# Altium PCB testboard_chip1.PcbDoc (part 3 of 3)
Units mm, origin at the board's own origin, x right, y up, seen from the top; angles counter-clockwise.
Board outline 111 x 126 mm, 2 copper layers (Top Layer, Bottom Layer); 162 components, 162 nets, 822 pads, 290 vias.
Unrouted connection lines stored in the file: 151.
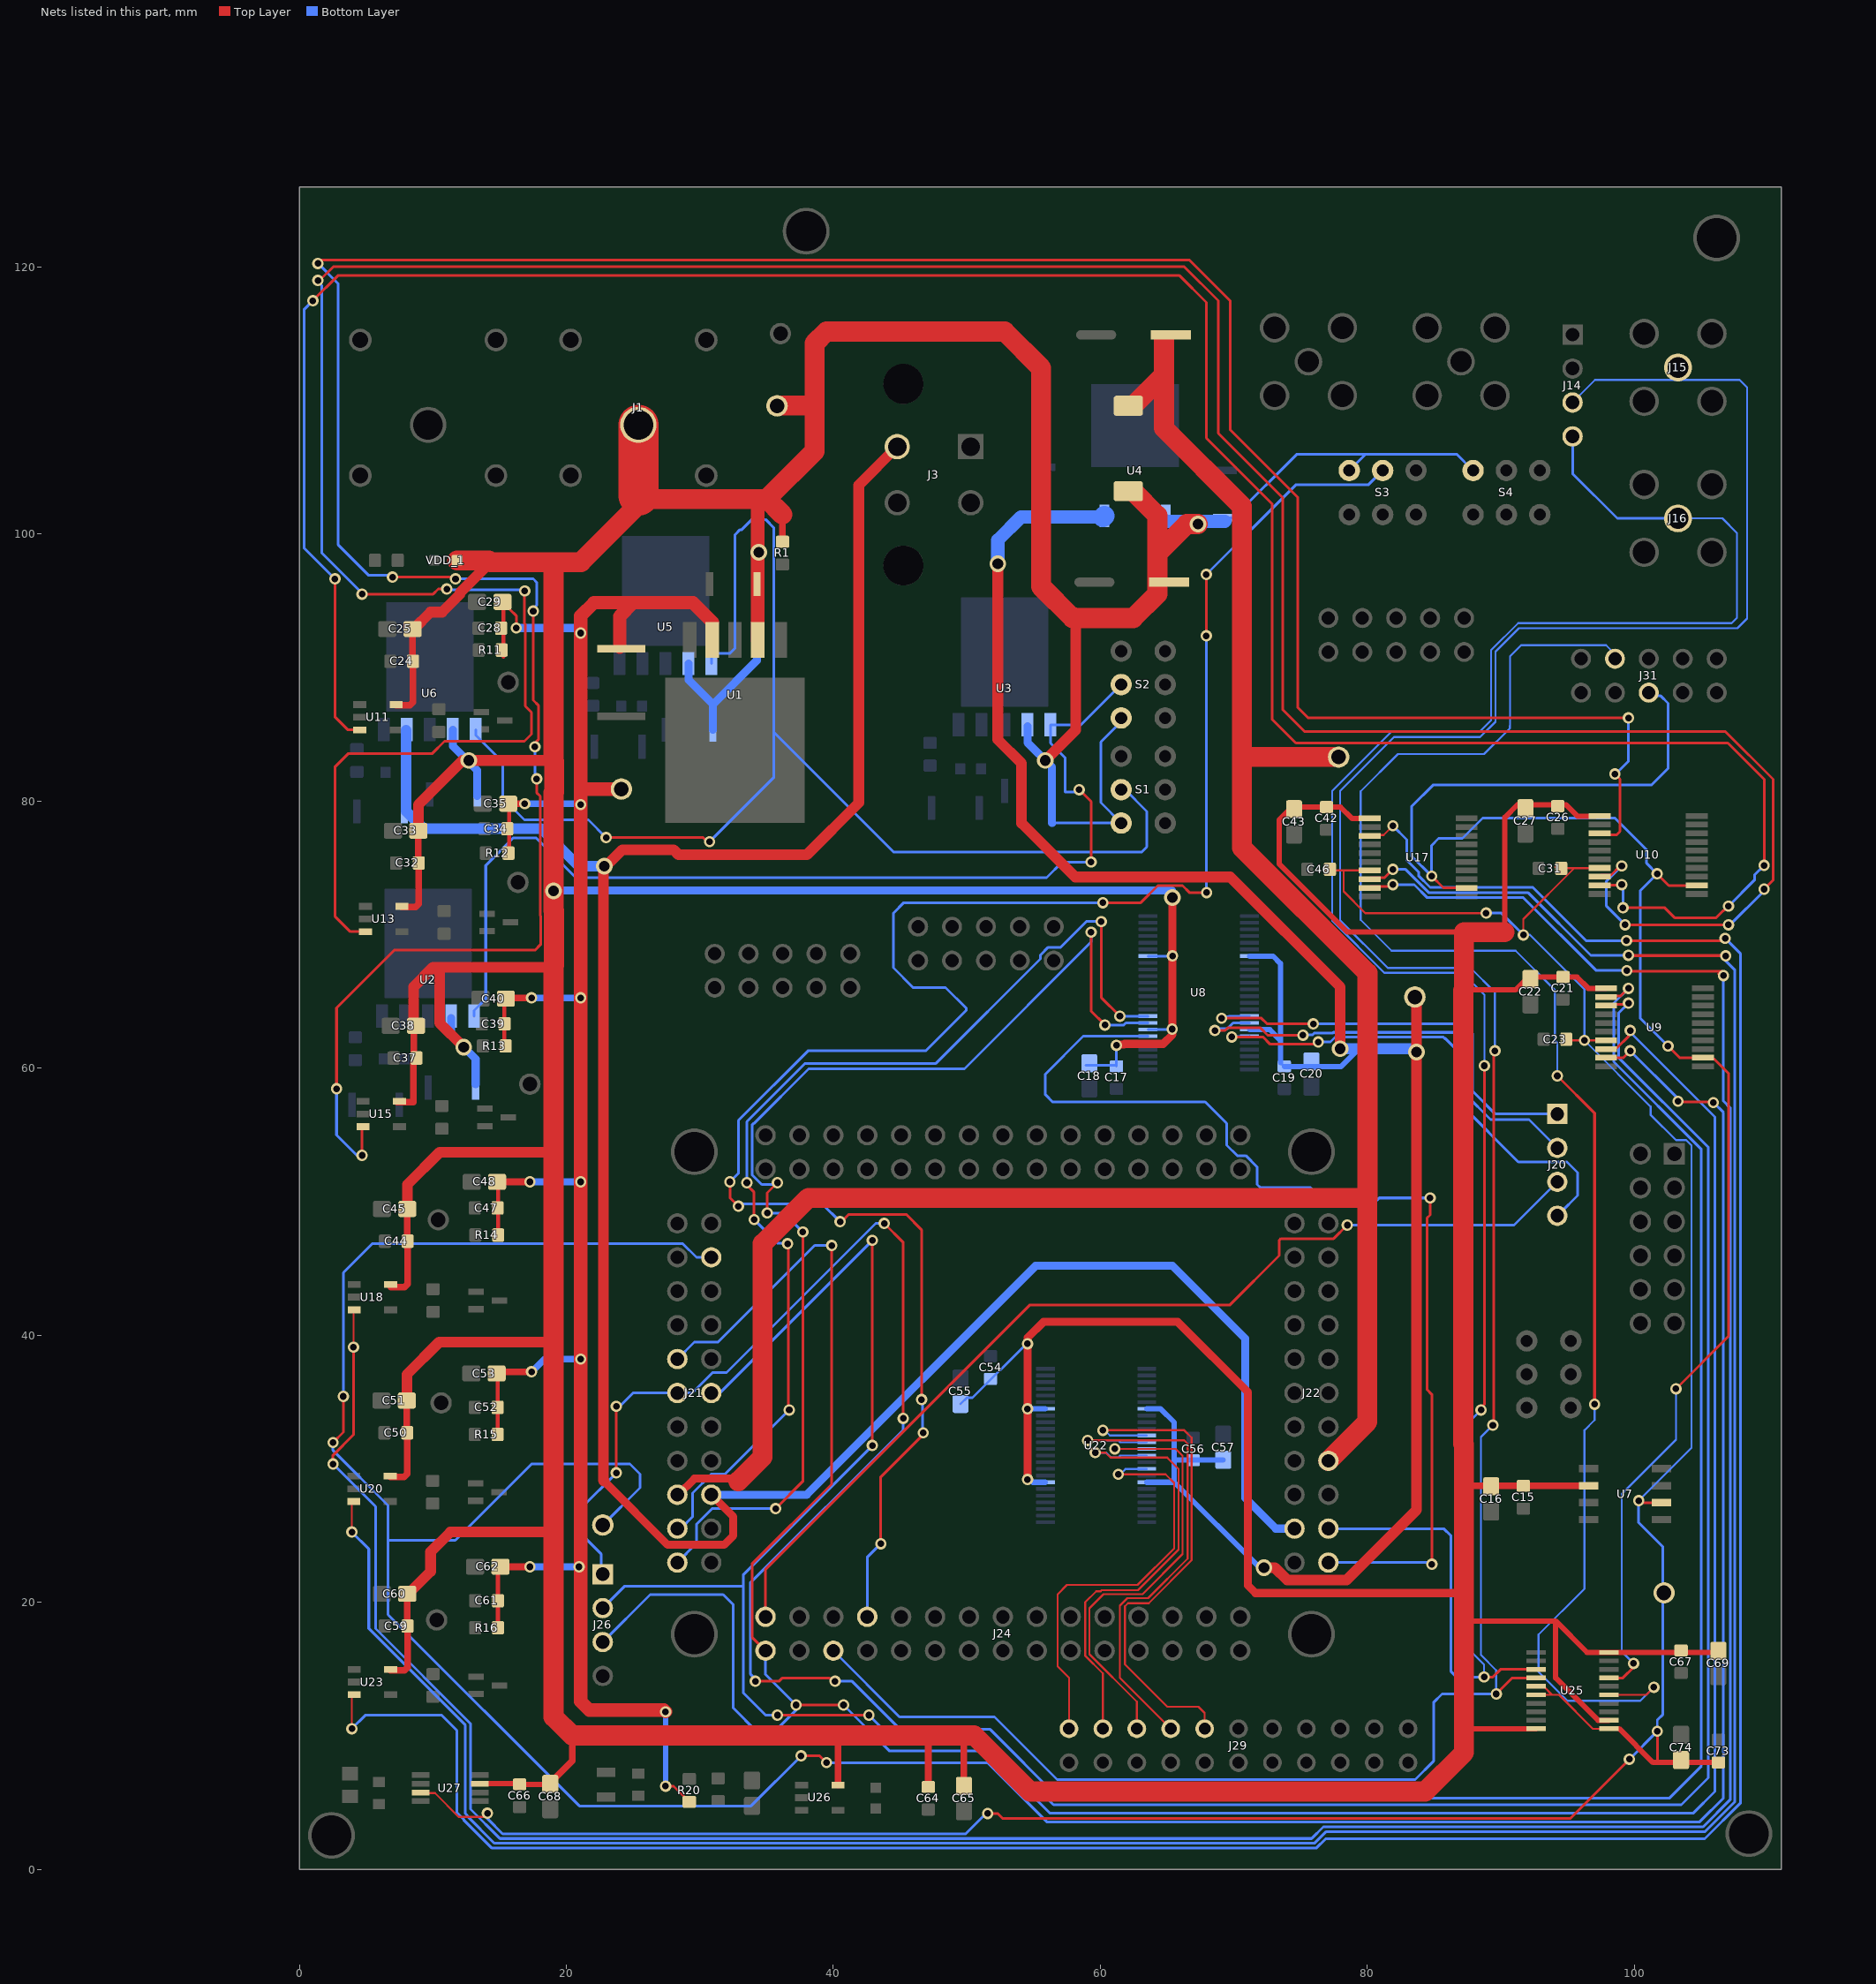
[diagram p3: the nets of this part, all layers, seen from the top]

## Via types
v1: diameter 0.85, hole 0.5, Top Layer to Bottom Layer, 274 vias
v2: diameter 1.25, hole 0.8, Top Layer to Bottom Layer, 16 vias

## Nets (pads, with @x,y where several pads share a name; then routed paths per layer and width w, separated by ;. In a path a pad name is that pad's centre, name@x,y a point inside that pad or via, vN(x,y) a via of type N, cw(c..) or ccw(c..) an arc to the next point about the centre after c; other vN are vias at no path point) (continued)
S_EXT_33<6>: J29.9 U22.11 | length 38.9
  Top Layer w0.15: v1(60.198,32.877) 66.294,32.877 66.848,32.323 66.848,23.144 63.627,19.923 62.073,19.923 61.849,19.699 61.849,15.351 65.024,12.176 67.349,12.176 67.818,11.707 J29.9@67.818,10.525
  Bottom Layer w0.15: v1(60.198,32.877) 60.331,32.877 60.724,32.484 U22.11@63.491,32.484
S_EXT_33<7>: J29.7 U22.12 | length 38
  Top Layer w0.15: v1(59.055,32.115) 59.074,32.134 66.275,32.134 66.548,31.861 66.548,23.268 63.584,20.304 62.03,20.304 61.468,19.742 61.468,14.335 J29.7@65.278,10.525
  Bottom Layer w0.15: v1(59.055,32.115) 59.074,32.134 61.356,32.134 61.506,31.984 U22.12@63.491,31.984
S_EXT_33<8>: J29.5 U22.13 | length 34.3
  Top Layer w0.15: v1(61.087,31.484) 65.655,31.484 66.167,30.972 66.167,23.606 63.165,20.604 60.244,20.604 59.182,19.542 59.182,16.113 62.738,12.557 J29.5@62.738,10.525
  Bottom Layer w0.15: v1@61.035,31.48 61.083,31.48 v1(61.087,31.484) U22.13@63.491,31.484
S_EXT_33<9>: J29.3 U22.14 | length 35.5
  Top Layer w0.15: v1(59.625,31.207) 60.399,31.207 60.772,30.834 65.013,30.834 65.867,29.98 65.867,23.941 62.83,20.904 60.12,20.904 60.028,20.812 59.69,20.812 58.863,19.985 58.863,16.008 60.198,14.673 J29.3@60.198,10.525
  Bottom Layer w0.15: v1(59.625,31.207) 60.445,31.207 60.818,30.834 61.356,30.834 61.506,30.984 U22.14@63.491,30.984
S_EXT_33<10>: J29.1 U22.16 | length 32.2
  Top Layer w0.15: J29.1@57.658,10.525 57.658,14.335 56.798,15.195 56.798,20.587 57.501,21.29 62.792,21.29 65.532,24.03 65.532,28.94 64.892,29.58 v1(61.356,29.58)
  Bottom Layer w0.15: v1(61.356,29.58) 61.485,29.58 61.889,29.984 U22.16@63.491,29.984
SCLK: J21.22 U8.32 | length 85.8
  Top Layer w0.2: v1(35.052,49.149) 35.052,50.657 v1(35.814,51.419) ; v1(35.687,27.011) 37.719,29.043 v1(37.719,47.736) ; v1(59.309,70.186) 59.309,64.274 v1(60.353,63.23)
  Bottom Layer w0.2: J21.22@28.321,22.971 29.764,24.414 29.764,25.845 30.929,27.011 v1(35.687,27.011) ; v1(35.052,49.149) 36.306,49.149 v1(37.719,47.736) ; v1(35.814,51.419) 35.814,51.409 35.697,51.292 34.637,51.292 33.913,52.016 33.913,55.741 34.036,55.864 34.071,55.864 38.158,59.951 49.823,59.951 59.309,69.437 v1(59.309,70.186) ; v1(60.353,63.23) 60.365,63.218 61.748,63.218 61.923,63.393 U8.32@63.574,63.393
SCLK_33: J20.2 U8.17 | length 34.9
  Top Layer w0.2: v1(68.58,62.82) 69.345,62.82 69.541,63.016 72,63.016 72.548,62.468 v1(75.184,62.468)
  Bottom Layer w0.2: v1(68.58,62.82) 68.704,62.944 69.503,62.944 69.952,63.393 U8.17@71.176,63.393 ; v1(75.184,62.468) 75.213,62.497 75.909,62.497 76.054,62.642 77.425,62.642 77.46,62.677 86.913,62.677 87.376,62.214 87.376,58.013 89.243,56.146 92.118,56.146 J20.2@94.239,54.025
SDI: J31.3 U9.12 U10.12 U17.12 U25.17 | length 130.9
  Top Layer w0.2: v1(84.823,74.381) 85.701,73.503 U17.12@87.439,73.503 ; U25.17@98.098,14.335 99.145,14.335 99.949,15.139 v1(99.949,15.414) ; v1(101.714,74.554) 102.592,73.676 U10.12@104.33,73.676 ; v1(102.53,61.656) 103.408,60.778 U9.12@105.146,60.778 105.262,60.663 106.001,60.663 107.061,59.602 107.061,39.921 v1(103.124,35.984)
  Bottom Layer w0.15: v1(99.949,15.414) 99.06,16.303 99.06,28.114 103.124,32.178 v1(103.124,35.984)
  Bottom Layer w0.2: J31.3@101.092,88.122 101.34,87.874 101.985,87.874 102.53,87.329 102.53,82.448 101.306,81.224 84.952,81.224 83.312,79.584 83.312,75.892 v1(84.823,74.381) 84.823,76.686 85.344,77.207 87.132,77.207 88.651,78.726 98.552,78.726 100.925,76.353 100.925,75.343 v1(101.714,74.554) ; v1@101.541,74.381 100.457,73.297 100.457,63.729 v1(102.53,61.656)
SDOUT: J31.9 U25.15 | length 121.3
  Top Layer w0.15: U25.15@98.098,13.065 100.901,13.065 v1(101.473,13.636)
  Top Layer w0.2: v1(94.234,59.42) 97.028,56.626 v1(97.028,34.831)
  Bottom Layer w0.15: v1(94.234,59.42) 94.234,61.917 94.061,62.09 94.061,65.842 91.107,68.796 81.822,68.796 79.502,71.115 79.502,80.727 82.296,83.521 88.749,83.521 90.678,85.45 90.678,85.64 90.701,85.662 90.701,90.849 91.529,91.678 97.882,91.678 98.552,91.008 J31.9@98.552,90.662 ; v1(97.028,34.831) 97.028,33.639 96.266,32.877 96.266,21.002 92.837,17.573 92.837,14.779 94.996,12.62 100.457,12.62 v1(101.473,13.636)
SHIFT: J21.20 U8.33 | length 79.1
  Top Layer w0.2: v1(33.528,51.419) 33.528,51.243 34.071,50.7 v1(34.071,48.66) ; v1(36.576,46.847) 36.639,46.783 36.639,34.464 v1(36.703,34.401) ; v1(60.071,70.977) 60.071,65.29 v1(61.468,63.893)
  Bottom Layer w0.2: J21.20@28.321,25.511 28.575,25.511 29.464,26.4 29.464,28.178 30.865,29.579 31.881,29.579 v1(36.703,34.401) ; v1(33.528,51.419) 33.528,55.991 37.897,60.36 47.692,60.36 55.516,68.184 55.516,68.47 56.101,69.055 57.033,69.055 58.955,70.977 v1(60.071,70.977) ; v1(34.071,48.66) 35.851,46.88 36.543,46.88 v1(36.576,46.847) ; v1(61.468,63.893) U8.33@63.574,63.893
SHIFT_33: J20.1 U8.16 | length 32.8
  Top Layer w0.2: v1(69.088,63.738) 72.072,63.738 72.493,63.317 v1(75.953,63.317)
  Bottom Layer w0.2: v1(69.088,63.738) 69.212,63.862 69.642,63.862 69.673,63.893 U8.16@71.176,63.893 ; v1(75.953,63.317) 87.162,63.317 87.884,62.595 87.884,58.277 89.596,56.565 J20.1@94.239,56.565
SIN: J22.21 U8.30 | length 79.9
  Top Layer w0.2: v1(84.709,50.277) 84.709,49.006 84.484,48.781 84.484,35.92 84.836,35.568 v1(84.836,22.844)
  Bottom Layer w0.2: U8.30@63.574,62.393 58.726,62.393 55.889,59.556 55.889,58.011 56.425,57.475 67.858,57.475 69.473,55.86 69.473,54.235 70.261,53.447 70.904,53.447 71.755,52.596 71.755,51.292 71.981,51.066 75.702,51.066 76.873,49.895 80.512,49.895 80.894,50.277 v1(84.709,50.277) ; J22.21@77.089,22.971 84.709,22.971 v1(84.836,22.844)
SIN_33: J20.4 U8.19 | length 37.6
  Top Layer w0.2: v1(69.85,62.341) 72.18,62.341 72.728,61.793 75.984,61.793 76.151,61.96 v1(76.327,61.96)
  Bottom Layer w0.2: v1(69.85,62.341) 69.876,62.367 71.15,62.367 U8.19@71.176,62.393 ; v1(76.327,61.96) 77.238,61.96 77.605,62.327 85.696,62.327 85.809,62.214 85.852,62.214 86.868,61.198 86.868,57.424 91.313,52.979 94.96,52.979 95.758,52.181 95.758,50.464 J20.4@94.486,49.192
SOUT: J20.3 J24.1 | length 75.6
  Top Layer w0.2: J24.1@34.925,18.907 34.925,22.463 54.737,42.275 69.723,42.275 73.406,45.958 73.406,47.111 73.523,47.228 77.486,47.228 v1(78.502,48.244)
  Bottom Layer w0.2: v1(78.502,48.244) 90.998,48.244 J20.3@94.239,51.485
TSENSE: J14.4 J16.1 J22.19 U25.3 | length 163.7
  Top Layer w0.2: v1(88.519,34.401) 88.519,34.577 88.773,34.831 v1(88.773,60.182) ; v1(88.749,14.398) 89.408,14.398 89.98,14.97 U25.3@92.656,14.97
  Bottom Layer w0.15: v1(88.519,34.401) 87.884,33.766 87.884,16.196 88.749,15.331 v1(88.749,14.398) ; v1(88.773,60.182) 88.773,65.487 87.112,67.148 81.28,67.148 77.372,71.056 77.372,80.756 81.788,85.172 88.403,85.172 89.281,86.05 89.281,91.305 91.305,93.329 107.299,93.329 107.696,93.726 107.696,100.076 106.598,101.174 J16.1@103.276,101.174
  Bottom Layer w0.2: J22.19@77.089,25.511 85.725,25.511 86.273,24.963 86.273,14.803 86.677,14.398 v1(88.749,14.398) ; J14.4@95.377,107.315 95.377,104.521 98.724,101.174 J16.1@103.276,101.174
VBLEED: U10.9 U11.3 | length 197.8
  Top Layer w0.2: v1(1.016,117.475) 2.921,119.38 65.913,119.38 67.945,117.348 67.945,107.188 72.889,102.244 72.889,86.106 74.644,84.351 107.01,84.351 109.728,81.633 v1(109.728,75.184) ; v1(2.667,96.647) 2.667,86.31 3.644,85.333 U11.3@4.526,85.333 ; U10.9@97.409,73.693 97.433,73.718 99.036,73.718 v1(99.06,73.742) ; v1(99.153,72.009) 102.285,72.009 103.047,71.247 106.106,71.247 106.638,71.779 106.671,71.779 107.012,72.12 107.045,72.12 v1(107.061,72.136)
  Bottom Layer w0.2: v1(1.016,117.475) 0.35,116.809 0.35,98.964 v1(2.667,96.647) ; v1(99.06,73.742) 99.153,73.649 v1(99.153,72.009) ; v1(107.061,72.136) 109.003,74.078 109.003,74.459 v1(109.728,75.184)
VDD: C14.1 J3.3 J21.17 J22.20 R6.1 U6.4 | length 199.5
  Top Layer w0.6: 22.829,29.067 27.596,24.299 31.818,24.299 32.512,24.993 32.512,26.4 J21.17@30.861,28.051
  Top Layer w0.8: 22.829,29.067 22.774,29.122 22.774,74.931 24.202,76.359 28.035,76.359 28.407,75.987 38.019,75.987 41.91,79.878 41.91,103.664 J3.3@44.792,106.546
  Bottom Layer w0.6: J21.17@30.861,28.051 38.006,28.051 55.151,45.196 65.405,45.196 70.866,39.735 70.866,27.797 73.152,25.511 J22.20@74.549,25.511
  Bottom Layer w0.8: U6.4@8.011,85.305 R6.1@8.011,82.153 8.011,79.232 9.297,77.946 18.115,77.946 20.922,75.139 v2(22.86,75.139)
VDD_2P5V: C6.1 C28.1 C29.1 C34.1 C35.1 C39.1 C40.1 C47.1 C48.1 C52.1 C53.1 C61.1 C62.1 J8.1 R11.1 R12.1 R13.1 R14.1 R15.1 R16.1 R20.1 U1.4 | length 185.2
  Top Layer w0.2: C29.1@15.22,94.919 15.268,94.919 15.765,94.423 15.765,94.375 16.256,93.883 v1(16.256,92.964) ; C40.1@15.475,65.201 C40.1@15.536,65.262 ; C6.1@24.003,91.536 C6.1@24.13,91.409 ; v1(27.432,6.223) 28.042,6.223 R20.1@29.21,5.055 ; U1.4@30.937,91.805 U1.4@30.937,93.408
  Top Layer w0.3: R15.1@14.852,32.562 C53.1@14.852,37.068 ; R15.1@14.853,32.562 C52.1@14.853,34.594 C53.1@14.853,37.068 ; R16.1@14.88,18.084 C61.1@14.88,20.116 C62.1@14.88,22.59 ; R14.1@14.885,47.49 14.886,47.491 14.886,48.945 C48.1@14.886,51.485 ; 14.885,48.945 C48.1@14.885,51.292 ; 15.286,90.805 C29.1@15.286,94.853 ; R13.1@15.346,61.356 15.368,62.661 C40.1@15.368,65.135 ; R12.1@15.715,75.759 C35.1@15.715,79.74
  Top Layer w0.5: C53.1@14.853,37.068 15.041,37.256 v1(17.399,37.256) ; C48.1@14.886,51.485 v1(17.272,51.485) ; C62.1@14.914,22.651 v1(17.272,22.651) ; C40.1@15.536,65.262 v1(17.399,65.262) ; C35.1@15.715,79.74 15.781,79.806 v1(16.891,79.806)
  Top Layer w1: v1(21.082,38.211) 21.082,37.256 ; C6.1@24.003,91.536 24.003,93.847 25.009,94.853 ; J8.1@24.13,80.899 21.082,80.899 ; v1(27.432,11.795) 27.305,11.922 21.717,11.922 21.082,12.557 21.082,37.256 ; U1.4@30.937,93.408 29.492,94.853 25.009,94.853 ; 21.082,37.256 v1(21.082,51.485) v1(21.082,79.74) 21.082,80.899 ; 21.082,80.899 v1(21.082,92.583) 21.082,93.865 22.07,94.853 25.009,94.853
  Bottom Layer w0.4: v1(27.432,6.223) v1(27.432,11.795)
  Bottom Layer w0.5: v1(16.891,79.806) 21.016,79.806 v1(21.082,79.74) ; v1(17.272,22.651) v1(20.955,22.651) ; v1(17.272,51.485) v1(21.082,51.485) ; v1(17.399,37.256) 18.354,38.211 v1(21.082,38.211) ; v1(17.399,65.262) v1(21.082,65.262)
  Bottom Layer w0.6: v1(16.256,92.964) 20.701,92.964 v1(21.082,92.583)
VDD_5V_IN: C2.+ C3.1 C4.1 C7.1 C9.1 C11.1 C13.1 C15.1 C16.1 C17.1 C18.1 C21.1 C22.1 C24.1 C25.1 C26.1 C27.1 C32.1 C33.1 C37.1 C38.1 C42.1 C43.1 C44.1 C45.1 C50.1 C51.1 C54.1 C55.1 C59.1 C60.1 C64.1 C65.1 C66.1 C67.1 C68.1 C69.1 J1.1 J4.1 L1.2 R1.2 S1.6 S2.6 S3.6 S4.6 U1.2 U2.2 U3.2 U4.1 U5.2 U6.2 U7.2 U8.31 U8.42 U9.1 U10.1 U11.5 U13.5 U15.5 U17.1 U18.5 U20.5 U22.31 U22.42 U23.5 U25.10 U25.12 U25.20 U26.5 U27.7 VDD_1.A | length 824.2
  Top Layer w0.15: C43.1@74.39,79.583 74.675,79.553 C43.1@74.535,79.568 ; C27.1@91.281,79.756 C27.1@91.566,79.726 ; C22.1@92.097,66.858 92.382,66.828 C22.1@92.242,66.843
  Top Layer w0.2: C50.1@8.056,32.716 C50.1@8.083,32.689 ; C59.1@8.083,18.238 C59.1@8.11,18.211 ; C24.1@8.489,90.501 C24.1@8.516,90.474 ; C32.1@8.918,75.388 C32.1@8.945,75.361 ; C68.1@18.796,6.395 C68.1@18.796,6.47 ; 47.117,9.776 47.358,10.017 ; 87.249,28.749 87.268,28.73
  Top Layer w0.4: U27.7@13.516,6.405 C66.1@16.041,6.405 ; C66.1@16.51,6.355 C68.1@18.796,6.355 ; C43.1@74.39,79.583 73.393,78.586 73.393,75.295 78.502,70.186 87.249,70.186 ; C43.1@74.675,79.553 C42.1@76.949,79.553 78,79.553 78.85,78.703 U17.1@80.175,78.703 ; 87.249,10.525 U25.10@92.656,10.525 ; 87.249,18.589 94.107,18.589 ; 87.249,65.868 89.171,65.868 89.178,65.861 91.1,65.861 C22.1@92.097,66.858 ; 90.284,70.186 90.31,70.212 90.31,78.785 C27.1@91.281,79.756 ; C27.1@91.566,79.726 94.891,79.726 95.741,78.876 U10.1@97.066,78.876 ; C22.1@92.382,66.828 C21.1@94.656,66.828 95.707,66.828 96.557,65.978 U9.1@97.882,65.978 ; U25.12@98.098,11.16 97.282,11.16 94.107,14.335 94.107,18.589 ; C69.1@106.299,16.365 106.174,16.24 U25.20@98.098,16.24 96.456,16.24 94.107,18.589
  Top Layer w0.5: U20.5@6.816,29.387 7.849,29.387 8.082,29.62 C50.1@8.083,32.689 ; U23.5@6.843,14.909 7.877,14.909 8.11,15.142 C59.1@8.11,18.211 ; U18.5@6.849,43.611 7.882,43.611 8.115,43.844 8.115,43.97 8.116,43.971 C44.1@8.116,47.04 ; U11.5@7.251,87.172 8.284,87.172 8.516,87.405 C24.1@8.516,90.474 ; U15.5@7.332,57.454 8.538,57.454 8.538,60.523 C37.1@8.771,60.756 ; U13.5@7.68,72.059 8.712,72.059 8.945,72.292 C32.1@8.945,75.361 ; C50.1@8.055,32.716 C51.1@8.055,35.102 ; C50.1@8.056,32.716 C51.1@8.056,35.102 ; C59.1@8.083,18.238 C60.1@8.083,20.624 ; 8.083,29.62 C50.1@8.083,32.689 ; C44.1@8.088,46.94 C45.1@8.088,49.326 ; C24.1@8.489,90.501 C25.1@8.489,92.887 ; C37.1@8.571,60.783 C38.1@8.571,63.169 ; C32.1@8.918,75.388 C33.1@8.918,77.774 ; C68.1@18.796,6.47 20.447,8.121 20.447,10.017 ; R1.2@36.195,99.425 36.195,101.457 ; U26.5@40.351,6.31 40.351,9.763 ; C64.1@47.117,6.168 47.117,9.776 ; 49.657,10.017 49.784,9.89 C65.1@49.784,6.295 ; 87.268,28.73 U7.2@96.593,28.73
  Top Layer w0.6: v1(54.552,29.194) v1(54.552,34.484) v1(54.552,39.354) 54.552,39.804 55.753,41.005 65.786,41.005 71.061,35.73 71.061,21.252 71.628,20.685 87.249,20.685 ; v1(61.214,61.706) 61.262,61.754 61.751,61.754 61.816,61.819 64.708,61.819 v1@65.405,62.515 ; v1@65.405,62.926 v1(65.405,68.408) v2(65.405,72.79)
  Top Layer w0.8: C51.1@8.055,35.102 8.055,37.05 10.486,39.481 18.796,39.481 19.05,39.735 ; C51.1@8.056,35.102 8.056,37.05 ; C60.1@8.083,20.624 8.158,20.624 9.838,22.304 9.838,23.777 11.317,25.257 19.05,25.257 ; C45.1@8.088,49.326 8.088,51.274 10.519,53.705 18.923,53.705 19.05,53.832 ; C25.1@8.489,92.887 8.564,92.887 9.829,94.152 10.695,94.152 12.024,95.481 12.024,95.588 14.337,97.901 14.436,97.901 ; C38.1@8.571,63.169 8.571,66.102 10.017,67.548 10.519,67.548 ; C33.1@8.918,77.774 8.918,79.722 12.238,83.042 v2(12.7,83.042) 19.05,83.042 ; v2(12.319,61.579) 10.519,63.379 10.519,67.548 ; 19.05,67.675 18.923,67.548 10.519,67.548 ; v2(55.88,83.042) 58.166,85.328 58.166,94.107
  Top Layer w1: 34.163,102.627 34.341,102.449 U1.2@34.341,92.084
  Top Layer w1.5: VDD_1.A@11.818,98.028 14.21,98.028 14.337,97.901 ; 14.436,97.901 18.796,97.901 ; J4.1@35.789,109.601 35.808,109.62 38.5,109.62 38.608,109.728 ; 36.195,101.457 35.025,102.627 ; L1.2@62.453,103.21 64.274,101.389 64.274,98.536 ; v2(67.31,100.756) 66.494,100.756 64.274,98.536 ; 90.284,70.186 87.249,70.186 87.249,65.868 87.194,65.813 87.194,31.877 87.249,31.822 87.249,28.749 87.249,20.685 87.249,18.589 87.249,10.525 87.249,8.74 84.335,5.826 54.737,5.826 50.546,10.017 49.657,10.017 47.358,10.017 20.447,10.017 19.05,11.414 19.05,25.257 19.05,39.735 19.05,53.832 19.05,67.675 19.074,67.699 19.074,71.798 19.05,71.822 v2(19.05,73.279) 19.05,80.625 19.105,80.681 19.105,82.987 19.05,83.042 19.05,97.647 18.796,97.901 ; 18.796,97.901 21.09,97.901 25.816,102.627 34.163,102.627 35.025,102.627 ; 35.025,102.627 38.608,106.21 38.608,109.728 ; 38.608,109.728 38.608,114.294 39.487,115.173 52.832,115.173 55.562,112.442 55.562,96.075 57.928,93.71 62.468,93.71 64.274,95.516 64.274,98.536
  Top Layer w3: 25.4,102.874 J1.1@25.4,108.178
  Bottom Layer w0.15: C7.1@13.205,58.785 C7.1@13.208,58.788
  Bottom Layer w0.2: C55.1@49.53,34.848 50.001,35.319 50.43,35.319 54.465,39.354 v1(54.552,39.354) ; 56.394,78.358 S1.6@61.565,78.358 60.04,79.883 60.04,84.426 61.565,85.951 S2.6@61.565,86.232 ; C18.1@58.914,60.226 61.131,60.226 C17.1@61.214,60.143 v1(61.214,61.706) ; U8.31@63.574,62.893 65.357,62.893 v1(65.39,62.926) ; U8.42@63.574,68.393 65.39,68.393 v1(65.405,68.408) ; v2@65.35,73.318 v2(65.405,72.79) ; C4.1@69.342,101.222 69.967,101.222 74.733,105.988 79.883,105.988 ; S3.6@78.653,104.758 79.883,105.988 ; S4.6@87.924,104.758 86.694,105.988 79.883,105.988
  Bottom Layer w0.4: v1(54.552,29.194) 54.741,29.194 54.951,28.984 U22.31@55.889,28.984 ; v1(54.552,34.484) U22.42@55.889,34.484
  Bottom Layer w0.6: U2.2@11.372,63.751 11.372,62.526 v2(12.319,61.579) 13.208,60.69 C7.1@13.208,58.788 ; U6.2@11.499,85.353 11.499,84.129 13.335,82.293 C13.1@13.335,80.39 ; v2(19.05,73.279) 19.089,73.318 v2@65.35,73.318 ; U5.2@29.152,90.306 29.152,89.082 30.988,87.246 ; C11.1@30.988,85.343 30.988,87.246 ; v2(34.417,98.634) 34.29,98.507 34.29,90.548 30.988,87.246 ; U3.2@54.552,85.607 54.552,84.383 56.388,82.547 56.388,78.364 56.394,78.358
  Bottom Layer w1: U4.1@64.911,100.949 C4.1@69.342,100.949
VDD_FPGA: C5.1 C19.1 C20.1 C56.1 C57.1 J7.1 U4.3 U8.7 U8.18 U22.7 U22.18 | length 163.6
  Top Layer w0.8: v2(52.324,97.774) 52.324,84.603 54.102,82.825 54.102,78.343 58.13,74.315 69.738,74.315 77.978,66.075 v2(77.978,61.452) ; v2(72.263,22.59) 73.075,22.59 74.006,21.659 78.444,21.659 83.693,26.908 v2(83.693,61.198) 83.693,65.201 J7.1@83.566,65.328
  Bottom Layer w0.2: 65.532,30.696 65.571,30.657 ; C19.1@73.5,60.412 C19.1@73.787,60.124
  Bottom Layer w0.4: U22.18@63.491,28.984 65.488,28.984 ; U22.7@63.491,34.484 64.516,34.484 65.532,33.468 65.532,30.696 65.532,28.984 71.926,22.59 v2(72.263,22.59) ; 65.571,30.657 C57.1@69.215,30.657 ; U8.18@71.176,62.893 72.693,62.893 73.5,62.087 ; U8.7@71.176,68.393 72.942,68.393 73.5,67.836 73.5,62.087 ; C19.1@73.5,60.412 73.5,62.087 ; C19.1@73.787,60.124 78.047,60.124 79.375,61.452
  Bottom Layer w0.8: v2(77.978,61.452) 79.375,61.452 v2@83.693,61.452
  Bottom Layer w1: v2(52.324,97.774) 52.324,99.542 54.055,101.273 U4.3@60.216,101.273
  Bottom Layer w1.5: U4.3@60.216,101.273 U4.3@60.311,101.368
VDDA_EXT: S2.5 U2.1 U3.1 | length 78.4
  Top Layer w0.2: v1(58.42,80.858) 59.313,79.965 v1(59.313,75.438)
  Bottom Layer w0.2: U2.1@13.092,63.89 13.092,64.317 13.97,65.195 13.97,75.184 16.042,77.256 17.724,77.256 20.716,74.264 55.976,74.264 57.15,75.438 v1(59.313,75.438) ; v1@58.42,80.692 57.376,80.692 57.376,83.232 56.272,84.336 U3.1@56.272,85.722 58.555,85.722 S2.5@61.565,88.732
VDDD_EXT: S1.5 U5.1 U6.1 | length 100
  Top Layer w0.2: v1(22.987,77.266) 30.254,77.266 30.558,76.962 v1(30.734,76.962)
  Bottom Layer w0.2: U6.1@13.219,85.353 13.219,84.927 15.24,82.906 15.24,80.221 16.865,78.596 21.657,78.596 v1(22.987,77.266) ; v1(30.734,76.962) 35.56,81.788 35.56,85.137 ; U5.1@30.872,90.306 30.872,90.733 31.216,91.077 32.276,91.077 32.639,91.44 32.639,99.949 33.02,100.33 33.147,100.33 33.909,101.092 34.925,101.092 35.56,100.457 35.56,85.137 ; S1.5@61.565,80.858 61.865,80.858 63.491,79.232 63.491,76.572 63.117,76.198 44.499,76.198 35.56,85.137
VDDPST: C1.+ J6.1 J21.18 J22.15 L1.1 | length 172.4
  Top Layer w0.2: J21.18@28.321,28.051 J21.18@28.383,28.051
  Top Layer w0.6: J21.18@28.383,28.051 29.595,29.263 32.697,29.263 32.893,29.067
  Top Layer w1.5: 32.893,29.067 34.709,30.883 34.709,46.854 38.131,50.276 80.01,50.276 ; L1.1@62.453,109.61 64.77,111.927 ; 64.77,114.519 64.77,111.927 ; J22.15@77.089,30.591 80.01,33.512 80.01,50.276 ; J6.1@77.851,83.296 77.835,83.312 70.612,83.312 ; 64.77,111.927 64.77,107.934 70.612,102.092 70.612,83.312 ; 70.612,83.312 70.612,76.52 80.011,67.121 80.011,50.277 80.01,50.276
VIL: J21.3 J25.1 U9.9 | length 255.8
  Top Layer w0.2: v1(2.525,31.962) 3.302,32.739 v1(3.302,35.417) ; v1(37.592,8.493) 38.98,8.493 39.488,7.985 v1(39.497,7.985) ; U9.9@97.882,60.778 99.177,60.778 v1(99.695,61.296) ; v1(103.276,57.515) 103.322,57.47 105.873,57.47 v1(105.918,57.424)
  Bottom Layer w0.2: v1(2.525,31.962) 2.525,31.368 6.648,27.245 6.648,24.638 ; v1(3.302,35.417) 3.302,44.688 5.457,46.843 28.74,46.843 29.752,45.831 J21.3@30.861,45.831 ; J25.1@22.733,25.781 25.527,28.575 25.527,29.601 24.765,30.362 17.408,30.362 11.684,24.638 6.648,24.638 ; v1(37.592,8.493) 33.838,4.739 20.981,4.739 6.648,19.071 6.648,24.638 ; v1(39.497,7.985) 51.562,7.985 55.991,3.556 104.905,3.556 106.68,5.331 106.68,56.689 105.944,57.424 v1(105.918,57.424) ; v1(99.695,61.296) 103.276,57.715 v1(103.276,57.515)
VMODE_EXT: J24.7 S3.5 | length 149
  Top Layer w0.2: v1(32.258,51.485) 32.258,50.292 v1(32.893,49.657) ; v1(40.513,48.498) 40.624,48.498 41.172,49.046 45.46,49.046 46.613,47.893 v1(46.613,35.179) ; v1(43.561,24.381) 43.561,29.387 46.736,32.562 v1(46.736,32.689) ; v1(60.198,72.39) 63.034,72.39 64.309,73.665 66.161,73.665 66.674,73.152 v1(67.968,73.152) ; v1(67.945,92.379) v1(67.945,96.977)
  Bottom Layer w0.2: v1(32.258,51.485) 32.893,52.12 32.893,56.089 38.1,61.296 46.921,61.296 49.955,64.33 49.955,64.496 48.411,66.04 45.974,66.04 44.499,67.515 44.499,71.612 45.278,72.39 v1(60.198,72.39) ; v1(32.893,49.657) 33.06,49.824 39.187,49.824 v1(40.513,48.498) ; J24.7@42.545,18.907 42.545,23.365 v1(43.561,24.381) ; v1(46.613,35.179) 46.675,35.118 46.675,32.75 v1(46.736,32.689) ; v1(67.945,92.379) 67.945,73.175 v1(67.968,73.152) ; v1(67.945,96.977) 74.676,103.708 80.103,103.708 S3.5@81.153,104.758
VPOS_AFE: J14.3 J15.1 J24.6 U25.4 | length 209.6
  Top Layer w0.2: v1(89.408,33.258) 89.486,33.336 89.486,61.218 v1(89.564,61.296) ; v1(89.662,13.128) 90.868,14.335 U25.4@92.656,14.335
  Bottom Layer w0.15: v1(89.408,33.258) 88.519,32.369 88.519,16.049 89.662,14.906 v1(89.662,13.128) ; v1(89.564,61.296) 89.564,65.669 87.735,67.497 81.534,67.497 77.965,71.066 77.965,80.756 82,84.791 88.446,84.791 89.599,85.944 89.599,91.199 91.351,92.951 107.729,92.951 108.458,93.68 108.458,110.982 107.895,111.545 97.067,111.545 J14.3@95.377,109.855
  Bottom Layer w0.2: J24.6@40.005,16.367 44.958,11.414 52.07,11.414 56.769,6.715 83.584,6.715 84.963,8.095 84.963,12.493 85.598,13.128 v1(89.662,13.128)
VPOS_CM: J21.10 J24.2 J26.3 U9.8 | length 214.2
  Top Layer w0.2: J24.2@34.925,16.367 33.909,17.383 33.909,22.871 39.878,28.84 v1(39.878,46.72) ; v1(37.211,12.303) v1(40.767,12.303) ; U9.8@97.882,61.428 97.998,61.544 98.737,61.544 99.571,62.378 99.571,62.696 v1(99.695,62.82)
  Bottom Layer w0.2: J26.3@22.733,17.018 26.289,20.574 31.75,20.574 32.512,19.812 32.512,12.065 34.306,10.271 35.56,10.271 37.211,11.922 v1(37.211,12.303) 34.925,14.589 J24.2@34.925,16.367 ; J21.10@28.321,38.211 29.591,39.481 31.369,39.481 38.608,46.72 v1(39.878,46.72) ; v1(40.767,12.303) 40.767,12.299 44.192,8.874 51.562,8.874 56.245,4.191 104.41,4.191 106.045,5.826 106.045,56.343 99.695,62.693 v1(99.695,62.82)
VREF_2P5V: C23.1 C31.1 C46.1 C73.1 C74.1 J33.1 U7.6 U9.7 U10.7 U17.7 U25.5 U25.6 U25.11 U27.3 | length 229.8
  Top Layer w0.15: U27.3@9.09,5.755 9.146,5.699 10.16,5.699 11.938,3.921 v1@13.841,3.921 ; C46.1@77.203,74.889 77.289,74.803 78.232,74.803 ; U17.7@80.175,74.803 78.232,74.803 ; v1(88.9,71.612) 79.854,71.612 78.232,73.234 78.232,74.803 ; v1(91.694,69.977) 91.694,71.166 ; U25.6@92.656,13.065 93.841,13.065 ; U25.5@92.656,13.7 93.206,13.7 93.841,13.065 ; C31.1@94.094,75.062 C31.1@94.18,74.976 ; C23.1@94.91,62.164 94.996,62.078 v1(96.266,62.078) U9.7@97.882,62.078 ; U10.7@97.066,74.976 95.504,74.976 ; 98.87,10.525 U25.11@98.098,10.525 96.901,10.525 94.361,13.065 93.841,13.065 ; 91.694,71.166 95.504,74.976 ; 91.694,71.166 95.504,74.976 ; C31.1@94.18,74.976 95.504,74.976 ; C31.1@94.18,74.976 95.504,74.976
  Top Layer w0.2: v1(51.562,4.175) 52.324,4.175 52.705,3.794 95.186,3.794 v1(99.632,8.239) ; v1@100.711,27.458 101.584,27.458 U7.6@101.587,27.46 ; 101.727,7.999 v1(101.727,10.334)
  Top Layer w0.4: 98.87,10.525 101.396,7.999 101.727,7.999 ; U7.6@101.587,27.46 U7.6@102.035,27.46 ; 101.727,7.999 C73.1@106.299,7.999 101.727,7.999
  Bottom Layer w0.15: v1(91.694,69.977) 92.186,69.977 96.266,65.897 v1(96.266,62.078) 101.219,57.125 101.219,56.515 103.131,54.603 103.89,54.603 104.283,54.21 104.283,31.56 v1(100.33,27.606) ; v1(101.727,10.334) 101.727,11.174
  Bottom Layer w0.2: v1(14.097,4.191) 14.097,3.783 15.229,2.651 49.911,2.651 51.435,4.175 v1(51.562,4.175) ; v1(88.9,71.612) 90.059,71.612 v1(91.694,69.977) ; v1(99.632,8.239) v1(101.727,10.334) ; v1(100.33,27.606) 100.33,25.955 102.148,24.138 102.148,20.685 102.148,11.595 101.727,11.174
VREFH: J21.11 J26.2 U9.3 | length 205.6
  Top Layer w0.2: v1(35.814,11.541) v1(42.672,11.541) ; v1(42.926,31.734) v1(42.926,47.101) ; U9.3@97.882,64.678 97.976,64.772 99.474,64.772 v1(99.568,64.866)
  Bottom Layer w0.2: J26.2@22.733,19.558 24.384,21.209 33.274,21.209 ; J21.11@30.735,35.545 J21.11@30.861,35.671 31.496,35.671 v1(42.926,47.101) ; v1(35.814,11.541) 34.925,11.541 33.274,13.192 33.274,21.209 ; v1(42.672,11.541) 44.704,9.509 51.816,9.509 56.499,4.826 103.521,4.826 105.537,6.842 105.537,54.086 98.821,60.802 98.821,64.119 v1(99.568,64.866) ; v1(42.926,31.734) 33.274,22.082 33.274,21.209
VREFL: J21.12 J26.1 U9.2 | length 219.1
  Top Layer w0.2: J26.1@22.606,22.225 J26.1@22.733,22.098 ; v1(23.749,29.687) v1(23.749,34.671) ; v1(34.163,14.081) 35.926,14.081 36.157,14.311 39.726,14.311 39.956,14.081 v1(40.132,14.081) ; v1(43.815,48.371) 45.243,46.943 v1(45.243,33.766) ; U9.2@97.882,65.328 97.966,65.412 99.002,65.412 v1(99.568,65.978)
  Bottom Layer w0.2: J26.1@22.733,22.098 22.606,22.225 22.606,23.622 21.082,25.146 21.082,27.02 v1(23.749,29.687) ; v1(23.749,34.671) 24.003,34.671 25.003,35.671 J21.12@28.321,35.671 29.43,35.671 30.958,37.199 32.008,37.199 43.18,48.371 v1(43.815,48.371) ; v1(34.163,14.081) 34.163,14.257 33.782,14.638 33.782,21.447 45.243,32.908 v1(45.243,33.766) ; v1(40.132,14.081) 41.41,14.081 45.021,10.469 51.758,10.469 56.909,5.318 102.616,5.318 105.029,7.731 105.029,53.924 98.471,60.482 98.471,64.882 v1(99.568,65.978)
VSLEW: U17.9 U18.3 | length 230.6
  Top Layer w0.15: v1(4.064,39.1) 4.064,41.838 U18.3@4.125,41.899
  Top Layer w0.2: v1(2.525,30.353) 2.525,31.007 4.064,32.546 v1(4.064,39.1) ; U17.9@80.175,73.503 80.29,73.619 81.792,73.619 v1(81.915,73.742) ; v1(99.441,67.31) 99.481,67.27 106.563,67.27 v1@106.563,67.046 ; v1@106.302,67.053 106.556,67.053 v1@106.563,67.046 ; v1(106.68,66.929) v1@106.563,67.046
  Bottom Layer w0.2: v1(2.525,30.353) 5.715,27.163 5.715,18.018 12.827,10.906 12.827,4.506 15.032,2.301 75.829,2.301 76.703,3.175 105.159,3.175 107.188,5.204 107.188,57.023 106.68,57.531 v1(106.68,66.929) ; v1(81.915,73.742) 83.517,73.742 84.488,72.771 91.694,72.771 97.155,67.31 v1(99.441,67.31)
VSPK: U17.8 U20.3 | length 217.6
  Top Layer w0.15: v1(3.937,25.257) 3.937,27.393 U20.3@4.092,27.548
  Top Layer w0.2: U17.8@80.175,74.153 80.286,74.265 81.295,74.265 v1(81.915,74.885) ; v1(99.568,68.453) 99.591,68.43 106.825,68.43 v1(106.847,68.408)
  Bottom Layer w0.2: v1(3.937,25.257) 5.207,23.987 5.207,18.031 12.446,10.792 12.446,4.164 12.573,4.037 12.573,3.983 14.605,1.951 75.974,1.951 75.99,1.967 76.073,1.967 76.931,2.825 105.304,2.825 107.538,5.059 107.538,67.341 106.847,68.032 v1(106.847,68.408) ; v1(81.915,74.885) 82.869,74.885 84.622,73.132 92.067,73.132 96.747,68.453 v1(99.568,68.453)
VSPKFAST: U17.3 U23.3 | length 213.1
  Top Layer w0.15: v1(3.937,10.525) 3.937,12.891 4.116,13.07 U23.3@4.119,13.07 ; U17.3@80.175,77.403 80.232,77.461 81.22,77.461 v1(81.915,78.156)
  Top Layer w0.2: v1(99.422,69.551) 106.635,69.551 v1(106.807,69.723)
  Bottom Layer w0.2: v1(3.937,10.525) 4.969,11.557 10.652,11.557 11.811,10.398 11.811,4.25 12.319,3.742 12.319,3.683 14.401,1.601 76.202,1.601 76.887,2.286 105.283,2.286 107.941,4.944 107.941,68.589 v1(106.807,69.723) ; v1(81.915,78.156) 82.962,77.109 82.962,75.567 83.839,74.69 83.839,74.41 84.716,73.533 92.404,73.533 96.386,69.551 v1(99.422,69.551)
VTAIL: U10.3 U15.3 | length 234.7
  Top Layer w0.2: v1@1.524,120.523 66.675,120.523 69.723,117.475 69.723,107.823 74.79,102.756 74.79,87.008 75.566,86.232 v1(99.568,86.232) ; v1(2.794,58.451) 2.794,64.516 7.112,68.834 17.653,68.834 18.074,69.255 18.074,71.384 18.05,71.408 18.05,80.362 17.78,80.632 v1(17.78,81.661) ; v1(4.699,53.467) 4.699,55.533 U15.3@4.781,55.615 ; v1@7.239,96.82 7.285,96.774 v1@11.341,96.774 ; v1@17.477,84.074 v1(17.653,84.074) 17.526,84.201 17.502,84.201 17.907,84.606 17.907,87.172 17.526,87.553 v1(17.526,94.234) ; U10.3@97.409,77.593 97.525,77.478 98.687,77.478 98.933,77.724 98.933,81.654 98.561,82.026 v1(98.552,82.026)
  Bottom Layer w0.2: v1(1.397,120.269) 2.921,118.745 2.921,99.187 5.207,96.901 6.858,96.901 v1(6.985,96.774) ; v1(2.794,58.451) 2.794,54.991 4.426,53.359 4.591,53.359 v1(4.699,53.467) ; v1(11.703,96.645) 17.528,96.645 17.78,96.393 17.78,94.664 17.526,94.41 v1(17.526,94.234) ; v1(17.653,84.074) 17.653,81.788 v1(17.78,81.661) v1@17.78,81.788 ; v1(98.552,82.026) 98.599,82.026 99.568,82.995 v1(99.568,86.232)
VTH: U10.8 U13.3 | length 246
  Top Layer w0.2: v1(1.397,118.999) 1.524,118.999 2.54,120.015 66.294,120.015 68.834,117.475 68.834,107.552 73.655,102.731 73.655,86.863 75.317,85.201 106.838,85.201 110.403,81.636 110.403,74.081 v1(109.728,73.406) ; v1(4.699,95.504) 10.033,95.504 10.414,95.885 v1(11.049,95.885) ; U13.3@4.955,70.22 3.821,70.22 2.667,71.374 2.667,82.55 3.683,83.566 9.97,83.566 10.882,84.479 16.87,84.479 17.399,85.008 17.399,86.646 16.931,87.114 16.931,93.244 16.851,93.324 16.851,95.702 v1(16.891,95.742) ; U10.8@97.409,74.343 97.525,74.459 98.263,74.459 98.944,75.139 v1(99.06,75.139) ; v1(99.314,70.739) v1(107.061,70.739)
  Bottom Layer w0.2: v1(1.397,118.999) 1.397,118.912 1.691,118.618 1.691,98.578 4.699,95.57 v1(4.699,95.504) ; v1(11.049,95.885) 11.121,95.814 16.82,95.814 v1(16.891,95.742) ; v1(99.06,75.139) v1@99.015,75.139 ; v1(99.314,70.739) 97.917,72.136 97.917,73.996 v1@99.015,75.094 ; v1(107.061,70.739) 107.188,70.739 109.728,73.279 v1(109.728,73.406) ; v1@99.015,75.094 v1@99.015,75.139 ; v1@99.015,75.094 v1@99.015,75.139
pads on no net: C15.0 C16.0 C17.0 C18.0 C19.0 C20.0 C21.0 C22.0 C23.0 C24.0 C25.0 C26.0 C27.0 C28.0 C29.0 C30.0 C31.0 C32.0 C33.0 C34.0 C35.0 C36.0 C37.0 C38.0 C39.0 C40.0 C41.0 C42.0 C43.0 C44.0 C45.0 C46.0 C47.0 C48.0 C49.0 C50.0 C51.0 C52.0 C53.0 C54.0 C55.0 C56.0 C57.0 C58.0 C59.0 C60.0 C61.0 C62.0 C63.0 C64.0 C65.0 C66.0 C67.0 C68.0 C69.0 C72.0 C73.0 C74.0 J1.2 J1.3 J1.4 J1.5 J2.2 J2.3 J2.4 J2.5 J3.M1 J3.M2 J12.2 J12.3 J12.4 J12.5 J13.2 J13.3 J13.4 J13.5 J15.2 J15.3 J15.4 J15.5 J16.2 J16.3 J16.4 J16.5 J21.1 J21.21 J22.22 R1.0 R2.0 R7.0 R8.0 R9.0 R10.0 R11.0 R12.0 R13.0 R14.0 R15.0 R16.0 R20.0 R21.0 U7.1 U7.3 U7.5 U7.7 U7.8 U8.26 U9.5 U9.6 U9.15 U9.16 U9.17 U10.2 U10.5 U10.6 U10.15 U10.16 U10.17 U17.2 U17.5 U17.6 U17.15 U17.16 U17.17 U22.26 U22.27 U22.29 U22.30 U22.32 U27.1 U27.5 U27.8 VDD_1.0

## Polygon pours and split planes (outlines as drawn)
GND on Top Layer "Top Layer-GND" (solid, pour order 6): 0.508,125.349 110.236,125.349 110.49,125.095 110.49,0.889 0.508,0.889
GND on Bottom Layer "Bottom Layer-GND" (solid, pour order 8): 0.508,125.349 110.49,125.349 110.49,0.889 0.508,0.889

## Other copper
Top Layer:
  region: 27.432,38.465
  region: 25.908,34.401
Bottom Layer:
  region: -16.764,43.418

## Silkscreen, mask and mechanical layers (free items; w line width, h text height)
Top Overlay:
  region: 47.405,32.451 56.989,32.451 56.989,40.243 47.405,40.243
  text "INTUITIVE e-Skin v1" at 42.037,122.682 h1.52
  text "mark.alea@kuleuven.be" at 46.482,120.777 h1
  text "VPOS_AFE" at 99.153,117.348 h1
  text "HEM_OUT_I2V" at 93.599,113.792 h0.5 r90
  text "GND" at 34.671,112.014 h1
  text "POS_TEST_CAMP" at 97.917,110.271 h0.5 r90
  text "HEM_OUT_I2V" at 71.247,110.236 h1 r90
  text "POS_TEST_CAMP" at 82.55,108.585 h1 r90
  text "VPOS_AFE" at 93.701,108.178 h0.5 r90
  text "VDD_5V_IN" at 32.512,106.807 h1
  text "LCVDD" at 53.34,106.172 h1
  text "VMODE <-" at 75.946,106.045 h1
  text "AER_DIS <-" at 84.582,105.791 h1
  text "TSENSE" at 97.79,105.664 h0.5 r90
  text "TSENSE" at 100.33,105.664 h1
  text "VDD" at 38.1,103.759 h1
  text "AVDD" at 53.467,101.981 h1
  text "DVDD" at 37.465,101.473 h1
  text "GND" at 8.128,100.314 h1
  text "VDD_5V_IN" at 21.463,100.06 h1
  text "ACKX_PULSE_33<3>" at 85.598,95.973 h0.3 r90
  text "ACKX_PULSE_33<1>" at 88.011,95.973 h0.3 r90
  text "ACKX_PULSE_33<7>" at 80.518,95.862 h0.3 r90
  text "ACKX_PULSE_33<5>" at 83.058,95.862 h0.3 r90
  text "ACKX_PULSE_33<9>" at 77.47,95.727 h0.3 r90
  text "CSb_VDAC" at 103.842,92.671 h0.3 r90
  text "RESETb" at 106.255,92.671 h0.3 r90
  text "AVDD/LCVDD INT ->" at 58.547,92.567 h0.5 r270
  text "SDOUT" at 98.762,92.56 h0.3 r90
  text "CSb_IDAC_scaled" at 101.302,92.56 h0.3 r90
  text "BUSY" at 95.714,92.425 h0.3 r90
  text "IBLEED" at 17.907,87.503 h0.5 r90
  text "SDI" at 101.473,85.471 h0.3 r90
  text "CLK" at 103.759,85.471 h0.3 r90
  text "ACKX_PULSE_33<2>" at 85.725,84.963 h0.3 r90
  text "ACKX_PULSE_33<0>" at 88.138,84.963 h0.3 r90
  text "ACKX_PULSE_33<6>" at 80.645,84.852 h0.3 r90
  text "ACKX_PULSE_33<4>" at 83.185,84.852 h0.3 r90
  text "LDACb" at 106.299,84.836 h0.3 r90
  text "ACKX_PULSE_33<8>" at 77.597,84.717 h0.3 r90
  text "CSb_ADC" at 96.208,84.074 h0.3 r90
  text "CSb_IDAC" at 98.933,83.947 h0.3 r90
  text "DVDD/VDD INT ->" at 58.547,83.804 h0.5 r270
  text "VDDPST" at 70.612,81.788 h1
  text "VDD / (2.5V)" at 23.749,75.946 h1
  text "N_COX_OFF<8>" at 54.61,72.628 h0.3 r90
  text "N_COX_OFF<9>" at 57.023,72.628 h0.3 r90
  text "N_COX_OFF<6>" at 49.53,72.517 h0.3 r90
  text "N_COX_OFF<7>" at 52.07,72.517 h0.3 r90
  text "N_COX_OFF<5>" at 46.482,72.382 h0.3 r90
  text "ITH" at 16.129,71.755 h0.5
  text "N_COX_OFF<3>" at 39.243,70.596 h0.3 r90
  text "N_COX_OFF<4>" at 41.656,70.596 h0.3 r90
  text "N_COX_OFF<1>" at 34.163,70.485 h0.3 r90
  text "N_COX_OFF<2>" at 36.703,70.485 h0.3 r90
  text "N_COX_OFF<0>" at 31.115,70.35 h0.3 r90
  text "VDD_FPGA" at 78.232,67.675 h1
  text "N_COX_ON<8>" at 54.737,62.761 h0.3 r90
  text "N_COX_OFF<9>" at 57.15,62.761 h0.3 r90
  text "N_COX_ON<6>" at 49.657,62.65 h0.3 r90
  text "N_COX_ON<7>" at 52.197,62.65 h0.3 r90
  text "N_COX_ON<5>" at 46.609,62.515 h0.3 r90
  text "N_COX_ON<3>" at 39.37,60.729 h0.3 r90
  text "N_COX_ON<4>" at 41.783,60.729 h0.3 r90
  text "N_COX_ON<1>" at 34.29,60.618 h0.3 r90
  text "N_COX_ON<2>" at 36.83,60.618 h0.3 r90
  text "N_COX_ON<0>" at 31.242,60.483 h0.3 r90
  text "ITAIL" at 16.891,56.644 h0.5
  text "SHIFT_33" at 89.154,55.753 h0.5
  text "SCLK_33" at 89.008,53.467 h0.5
  text "ADDRX<3>" at 101.981,52.086 h0.3
  text "ADDRX<2>" at 99.398,52.07 h0.3
  text "SOUT" at 89.027,50.927 h0.5
  text "ADDRX<1>" at 102.108,49.419 h0.3
  text "ADDRX<0>" at 99.347,49.403 h0.3
  text "SIN_33" at 89.027,48.276 h0.5
  text "REQON" at 102.108,47.006 h0.4
  text "REQOFF" at 99.273,46.879 h0.4
  text "ISLEW" at 9.575,46.403 h0.5
  text "ACK_33" at 102.362,44.45 h0.3
  text "AER_RST_33" at 99.314,44.339 h0.3
  text "ADDRY<3>" at 102.108,41.86 h0.3
  text "ADDRY<2>" at 99.314,41.783 h0.3
  text "ADDRY<1>" at 102.194,39.32 h0.3
  text "ADDRY<0>" at 99.527,39.286 h0.3
  text "AER_RST" at 97.028,37.846 h0.5
  text "POLING_MODE" at 96.549,36.322 h1
  text "GND" at 97.155,35.814 h0.5
  text "ISPK" at 10.417,32.814 h0.5
  text "VIL" at 18.542,26.67 h0.6
  text "VREFH" at 17.653,21.463 h0.6
  text "VREFL" at 17.78,19.304 h0.6
  text "VREF / (2.5V)" at 104.394,19.177 h1
  text "ISPKFAST" at 8.79,16.574 h0.5
  text "VPOS_CM" at 16.383,16.15 h0.6
  text "POS_CALIB" at 16.129,14.02 h0.6
  text "acky_33<0>" at 84.357,9.779 h1
  text "acky_33<10>" at 46.863,9.398 h1
  text "n_p<10>" at 85.246,7.387 h1
  text "n_p<0>" at 50.165,7.26 h1